# KiCad board 32-channel_current_source.kicad_pcb (continued)
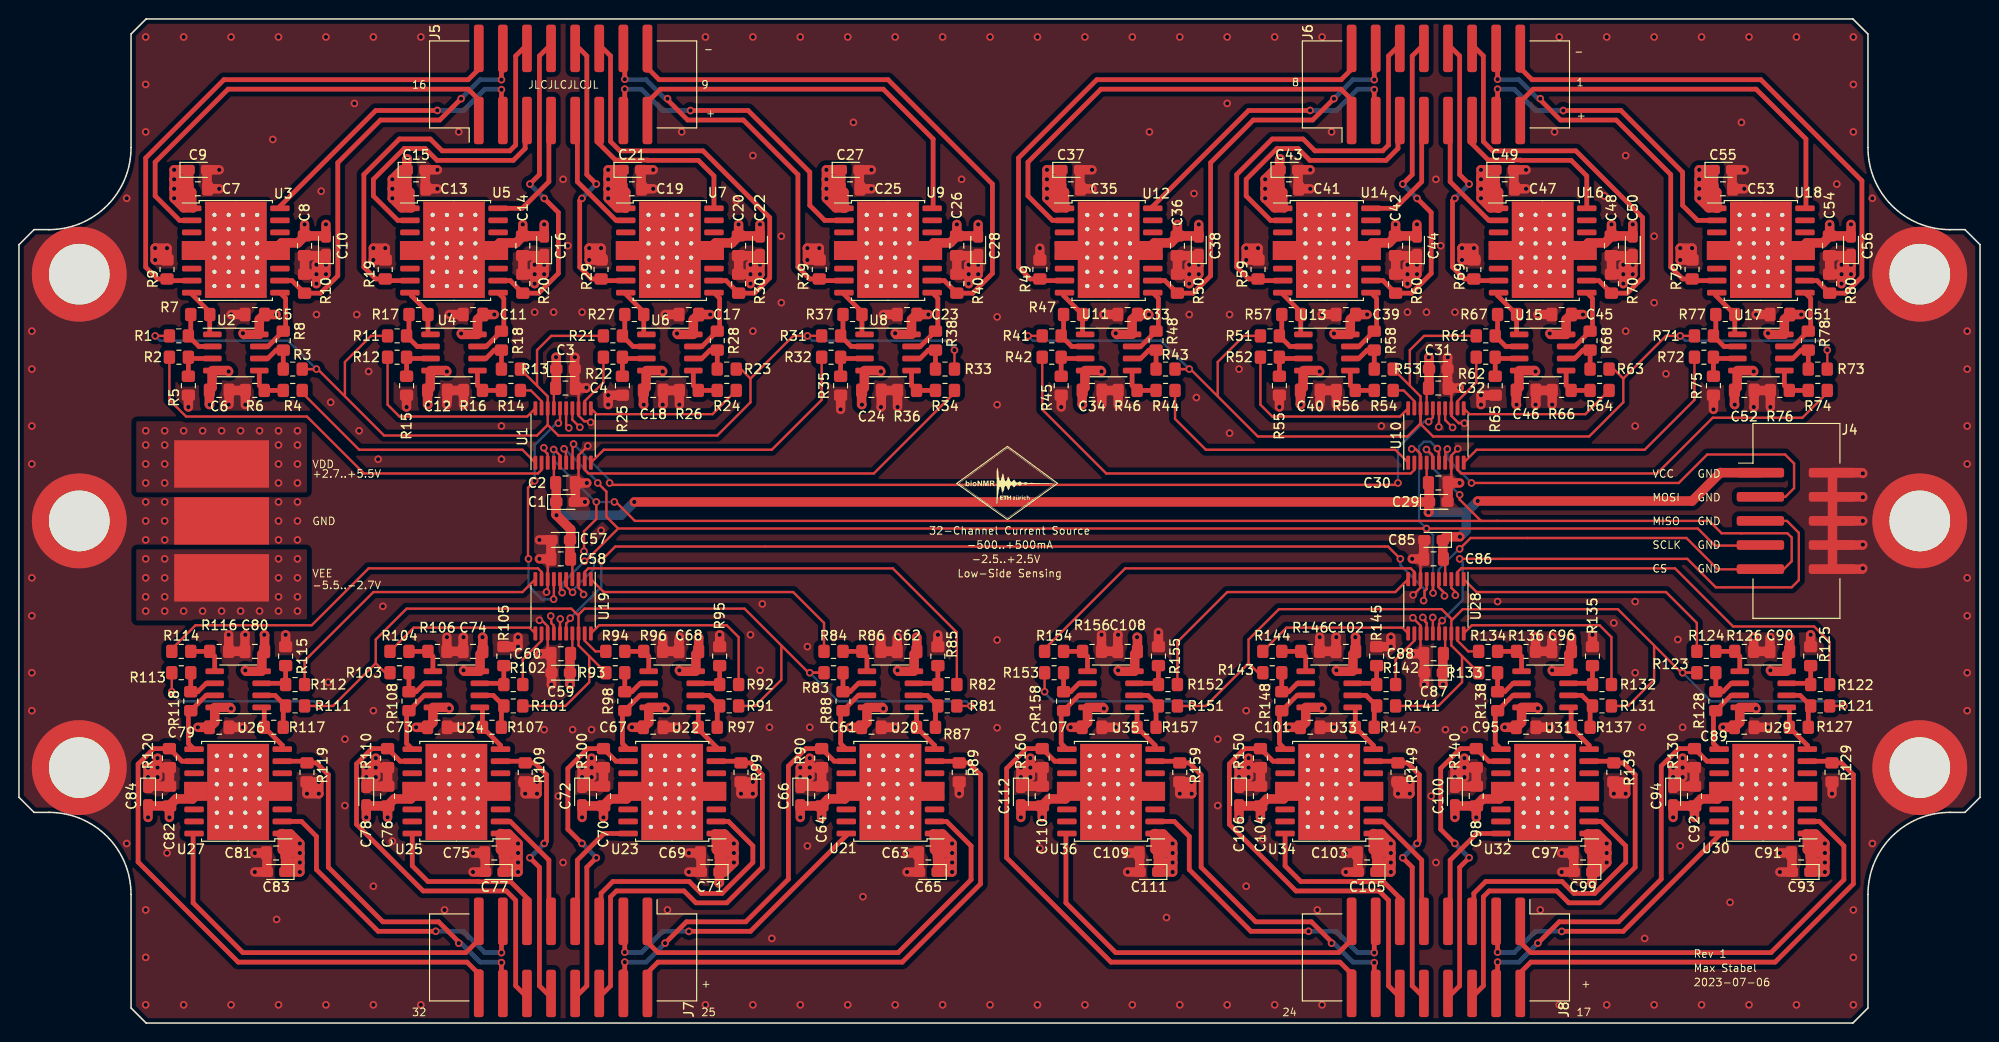
[diagram p0: board, top side]
## Routing (per net, layer and track width the routed paths; a pad name or vN(x,y) marks a point on that pad's centre or on a via; arc(x,y) is an arc through that point) (continued)
VCC: length 155.4
  Front w0.25: U28.4 150.33,48.69 ; U1.4 56.38,57.14 ; U10.4 148.38,57.14 ; U19.4 58.33,48.69
  Front w1: 58.16,50.92 58.16,52.02 v1(56.66,53.52) 56.61,53.57 56.61,54.92 ; v1(148.56,53.82) 148.61,53.87 148.61,54.92 ; 148.63,56.89 C29.1 v1(64.86,54.92) ; C1.1 56.63,56.89 ; 150.08,48.94 C85.1 150.41,51.24 v1(151.88,51.24) ; C57.1 58.08,48.94 ; v1(153.76,55.02) 176.36,55.02 179.36,58.02 179.38,58 183.54,58
  Back w1: 152.56,53.82 152.56,51.92 v1(151.88,51.24) ; 152.56,53.82 v1(148.56,53.82) ; 152.56,53.82 v1(153.76,55.02) ; v1(56.66,53.52) 63.46,53.52 v1(64.86,54.92)
VDD: length 392.8
  Front w0.25: v1(59.51,45.17) 59.51,45.34 58.98,45.86 U19.3 ; v1(151.11,62.77) 150.33,63.55 U10.14 ; v1(56.05,42.89) 56.11,42.84 56.11,42.15 56.38,41.87 U19.14 ; v1(151.41,45.09) 151.41,45.44 150.98,45.86 U28.3 ; 55.18,60.52 55.73,59.97 U1.3 ; v1(147.97,42.74) 148.22,42.5 148.22,42.32 148.38,42.16 U28.14 ; U1.14 58.33,63.58 v1(59.12,62.79) ; U1.17 56.38,66.69 ; U10.17 148.38,66.69 ; U19.17 58.33,39.14 ; v1(146.81,60.5) 147.2,60.5 147.73,59.97 U10.3 ; U28.17 150.33,39.14
  Front w1: v1(85.11,87.92) 87.11,85.92 86.11,85.92 v1(85.11,86.92) v1(85.11,87.92) ; v1(85.11,87.92) v1(85.11,88.92) ; v1(85.11,87.92) C25.1 ; 56.63,66.94 C3.1 56.63,70.14 v1(56.61,70.17) ; 94.61,74.67 94.08,74.14 94.08,72.92 ; 143.11,15.92 143.14,15.96 C103.1 v1(144.61,17.92) ; v1(85.11,88.92) 86.61,88.92 ; v1(85.11,88.92) v1(85.11,89.92) C27.1 ; v1(22.36,33.14) 22.24,33.26 U26.8 ; C35.1 v1(108.36,87.92) ; v1(108.36,87.92) v1(108.36,88.92) ; v1(108.36,87.92) v1(108.36,86.92) 109.36,85.92 110.36,85.92 v1(108.36,87.92) ; 150.08,38.89 C87.1 150.08,35.69 v1(150.11,35.67) ; v1(68.11,33.17) 68.01,33.26 U22.8 ; U6.8 69.45,72.57 v1(69.36,72.67) ; C105.1 v1(144.61,15.92) v1(144.61,16.92) ; 51.11,17.92 50.76,18.27 U25.1 ; v1(154.11,87.92) v1(154.11,86.92) 155.11,85.92 155.86,85.92 155.86,86.17 v1(154.11,87.92) ; v1(154.11,87.92) C47.1 155.57,89.88 155.61,89.92 ; v1(154.11,87.92) v1(154.11,88.92) ; 109.88,87.92 C37.1 v1(108.36,89.92) v1(108.36,88.92) ; v1(23.61,72.69) 23.73,72.57 U2.8 ; 86.61,89.92 86.61,87.92 86.96,87.57 U9.1 ; v1(16.36,87.92) v1(16.36,88.92) ; v1(16.36,87.92) C7.1 ; v1(16.36,87.92) 18.36,85.92 17.36,85.92 v1(16.36,86.92) v1(16.36,87.92) ; v1(16.36,88.92) 17.86,88.92 ; v1(16.36,88.92) v1(16.36,89.92) C9.1 17.88,87.92 ; 188.86,17.92 188.51,18.27 188.51,19.67 ; 17.86,87.92 18.21,87.57 18.21,86.17 ; v1(137.36,33.17) 137.26,33.26 U33.8 ; 186.61,74.67 186.08,74.14 186.08,72.92 ; v1(62.11,87.92) v1(62.11,88.92) ; v1(62.11,87.92) 63.86,86.17 63.86,85.92 63.11,85.92 v1(62.11,86.92) v1(62.11,87.92) ; v1(62.11,87.92) C19.1 63.57,89.88 63.61,89.92 ; v1(62.11,88.92) v1(62.11,89.92) C21.1 ; v1(62.11,88.92) 63.61,88.92 ; 71.61,74.67 71.08,74.14 71.08,72.92 ; v1(52.61,17.92) v1(52.61,16.92) ; v1(52.61,17.92) C75.1 51.14,15.96 51.11,15.92 ; v1(52.61,17.92) v1(52.61,18.92) 51.61,19.92 50.86,19.92 50.86,19.67 v1(52.61,17.92) ; v1(52.61,16.92) v1(52.61,15.92) C77.1 ; v1(52.61,16.92) 51.11,16.92 ; U8.8 92.48,72.57 v1(92.36,72.69) ; C51.1 v1(187.86,74.67) ; v1(138.61,72.67) 138.7,72.57 U13.8 ; C95.1 v1(156.61,31.17) ; v1(39.36,87.92) 41.36,85.92 40.36,85.92 v1(39.36,86.92) ; v1(39.36,87.92) C13.1 ; v1(39.36,87.92) v1(39.36,88.92) ; v1(39.36,87.92) v1(39.36,86.92) ; v1(91.11,33.14) 90.99,33.26 U20.8 ; U7.1 63.96,87.57 63.61,87.92 ; v1(39.36,88.92) 40.86,88.92 ; v1(39.36,88.92) 40.36,89.92 C15.1 ; v1(184.36,72.69) 184.48,72.57 U17.8 ; v1(144.61,17.92) v1(144.61,18.92) 143.61,19.92 142.86,19.92 142.86,19.67 v1(144.61,17.92) ; v1(144.61,17.92) v1(144.61,16.92) ; v1(190.36,16.92) v1(190.36,15.92) C93.1 188.83,17.92 ; v1(190.36,16.92) 188.86,16.92 ; v1(190.36,16.92) v1(190.36,17.92) ; 181.38,32.92 181.38,31.69 180.86,31.17 ; 165.83,15.92 166.36,15.92 v1(167.36,16.92) ; 165.83,15.92 165.83,14.81 v1(165.77,14.75) ; 165.83,15.92 165.83,17.89 ; C15.1 40.88,91.03 v1(40.94,91.09) ; C15.1 40.88,87.94 ; 48.33,72.92 48.33,74.14 48.86,74.67 ; 73.83,15.92 73.83,14.81 v1(73.77,14.75) ; 73.83,15.92 74.36,15.92 v1(75.36,16.92) ; 73.83,15.92 73.83,17.89 ; v1(75.36,16.92) v1(75.36,17.92) ; v1(75.36,16.92) 73.86,16.92 ; v1(75.36,17.92) v1(75.36,18.92) ; v1(75.36,17.92) C69.1 ; v1(75.36,17.92) 73.36,19.92 74.36,19.92 v1(75.36,18.92) ; C5.1 v1(27.11,74.67) ; C17.1 v1(72.86,74.67) ; 20.11,31.17 20.63,31.69 20.63,32.92 ; C79.1 v1(18.86,31.17) ; 119.76,19.97 119.76,18.27 120.11,17.92 120.11,15.92 ; C49.1 v1(154.11,89.92) v1(154.11,88.92) ; v1(131.36,88.92) 132.86,88.92 ; v1(131.36,88.92) v1(131.36,87.92) ; v1(131.36,88.92) 132.36,89.92 C43.1 ; v1(58.11,35.67) 58.08,35.69 C59.1 58.08,38.89 ; 135.11,31.17 135.63,31.69 135.63,32.92 ; C63.1 v1(98.36,17.92) ; v1(98.36,17.92) v1(98.36,18.92) 97.36,19.92 96.36,19.92 v1(98.36,17.92) ; v1(98.36,17.92) v1(98.36,16.92) ; 43.63,32.92 43.63,31.69 43.11,31.17 ; v1(154.11,88.92) 155.61,88.92 ; 148.63,66.94 C31.1 148.63,70.14 v1(148.61,70.17) ; v1(75.36,18.92) 74.36,17.92 73.86,17.92 73.51,18.27 73.51,19.67 ; v1(131.36,87.92) 133.36,85.92 132.36,85.92 v1(131.36,86.92) ; v1(131.36,87.92) v1(131.36,86.92) ; v1(131.36,87.92) C41.1 ; 143.11,17.92 142.76,18.27 U34.1 ; v1(121.61,16.92) 120.11,16.92 ; v1(121.61,16.92) v1(121.61,17.92) ; v1(121.61,16.92) v1(121.61,15.92) C111.1 ; U35.8 114.24,33.26 v1(114.36,33.14) ; U16.1 155.96,87.57 155.61,87.92 ; v1(108.36,88.92) 109.86,88.92 ; 163.61,74.67 163.08,74.14 163.08,72.92 ; v1(160.11,33.17) 160.01,33.26 U31.8 ; v1(161.36,72.67) 161.45,72.57 U15.8 ; v1(29.61,16.92) v1(29.61,15.92) C83.1 ; v1(29.61,16.92) 28.11,16.92 ; v1(29.61,16.92) v1(29.61,17.92) ; v1(183.11,33.14) 182.99,33.26 U29.8 ; 96.86,17.92 96.51,18.27 96.51,19.67 ; v1(29.61,17.92) 27.61,19.92 28.61,19.92 v1(29.61,18.92) v1(29.61,17.92) ; v1(29.61,17.92) C81.1 ; 28.11,15.92 28.11,17.92 27.76,18.27 27.76,19.97 ; 117.33,72.92 117.33,74.14 117.86,74.67 ; 157.86,31.17 158.38,31.69 158.38,32.92 ; C23.1 v1(95.86,74.67) ; U4.8 46.7,72.57 v1(46.61,72.67) ; 25.86,74.67 25.33,74.14 25.33,72.92 ; C55.1 v1(177.11,89.92) v1(177.11,88.92) ; v1(177.11,87.92) v1(177.11,86.92) 178.11,85.92 179.11,85.92 v1(177.11,87.92) ; v1(177.11,87.92) v1(177.11,88.92) ; v1(177.11,87.92) C53.1 ; 140.33,72.92 140.33,74.14 140.86,74.67 ; v1(144.61,16.92) 143.11,16.92 ; 66.38,32.92 66.38,31.69 65.86,31.17 ; v1(98.36,16.92) 96.86,16.92 ; v1(98.36,16.92) v1(98.36,15.92) C65.1 96.83,17.92 ; v1(121.61,17.92) 119.61,19.92 120.61,19.92 v1(121.61,18.92) v1(121.61,17.92) ; v1(121.61,17.92) C109.1 ; C101.1 v1(133.86,31.17) ; v1(190.36,17.92) 188.36,19.92 189.36,19.92 v1(190.36,18.92) v1(190.36,17.92) ; v1(190.36,17.92) C91.1 ; v1(167.36,16.92) 165.86,16.92 ; v1(167.36,16.92) v1(167.36,17.92) ; 109.86,87.92 110.21,87.57 110.21,86.17 ; v1(167.36,18.92) 166.36,17.92 165.86,17.92 165.51,18.27 165.51,19.67 ; v1(167.36,18.92) v1(167.36,17.92) ; v1(167.36,18.92) 166.36,19.92 165.36,19.92 v1(167.36,17.92) ; v1(39.36,86.92) 40.36,87.92 40.86,87.92 41.21,87.57 41.21,86.17 ; v1(177.11,88.92) 178.61,88.92 ; 88.86,31.17 89.38,31.69 89.38,32.92 ; C73.1 v1(41.86,31.17) ; C43.1 132.88,87.94 ; C43.1 132.88,91.03 v1(132.94,91.09) ; v1(131.36,86.92) 132.36,87.92 132.86,87.92 133.21,87.57 133.21,86.17 ; C45.1 v1(164.86,74.67) ; U11.8 115.73,72.57 v1(115.61,72.69) ; 112.63,32.92 112.63,31.69 112.11,31.17 ; U24.8 45.26,33.26 v1(45.36,33.17) ; C89.1 v1(179.61,31.17) ; C61.1 v1(87.61,31.17) ; C97.1 v1(167.36,17.92) ; C33.1 v1(119.11,74.67) ; C67.1 v1(64.61,31.17) ; U18.1 178.96,87.57 178.61,87.92 178.61,89.92 ; C11.1 v1(50.11,74.67) ; C39.1 v1(142.11,74.67) ; C107.1 v1(110.86,31.17)
  vias: v1(13.36,62.42) v1(13.36,60.92) v1(13.36,58.92) v1(13.36,56.92) v1(15.36,62.42) v1(15.36,60.92) v1(15.36,58.92) v1(15.36,56.92) v1(17.36,62.42) v1(19.36,62.42) v1(21.36,62.42) v1(23.36,62.42) v1(25.36,62.42) v1(27.36,62.42) v1(27.36,60.92) v1(27.36,58.92) v1(27.36,56.92) v1(29.36,62.42) v1(29.36,60.92) v1(29.36,58.92) v1(29.36,56.92) v1(55.32,60.62)
VEE: length 206
  Front w1: v1(25.86,40.92) 25.89,40.88 C80.2 25.61,38.88 25.61,37.42 ; v1(186.61,40.67) 186.64,40.63 C90.2 186.36,38.88 186.36,37.42 ; U9.4 96.42,82.22 98.16,82.22 98.86,82.92 ; 71.33,37.07 69.7,37.07 v1(69.61,37.17) ; U6.4 67.76,68.76 v1(67.86,68.67) ; U8.4 90.76,68.76 v1(90.86,68.67) ; 30.11,82.92 29.41,82.22 27.67,82.22 U3.4 ; v1(20.11,65.17) 20.07,65.21 C6.2 20.36,66.96 20.36,68.42 ; 55.36,82.92 55.32,82.96 C14.2 v1(53.11,84.17) ; U5.4 50.67,82.22 52.41,82.22 53.11,82.92 ; v1(22.11,68.67) 22.01,68.76 U2.4 ; v1(137.11,68.67) 137.01,68.76 U13.4 ; C10.2 v1(32.36,84.17) ; 151.36,22.92 151.39,22.88 C98.2 v1(153.61,21.67) ; 101.11,82.92 101.07,82.96 C26.2 v1(98.86,84.17) ; v1(163.61,40.67) 163.64,40.63 C96.2 163.36,38.88 163.36,37.42 ; 78.11,82.92 78.07,82.96 C20.2 v1(75.86,84.17) ; v1(122.11,84.17) C36.2 124.32,82.96 124.36,82.92 ; 117.61,37.42 117.61,38.88 C108.2 117.89,40.63 v1(117.86,40.67) ; U29.4 184.7,37.07 v1(184.61,37.17) ; 32.36,82.92 32.32,82.96 C8.2 v1(30.11,84.17) ; 84.61,22.92 85.31,23.62 87.04,23.62 U21.4 ; v1(71.61,40.67) 71.64,40.63 C68.2 71.36,38.88 71.36,37.42 ; 145.11,82.92 144.41,82.22 142.67,82.22 U14.4 ; v1(138.86,37.17) 138.95,37.07 U33.4 ; 170.11,82.92 170.07,82.96 C48.2 v1(167.86,84.17) ; v1(88.86,65.17) 88.82,65.21 C24.2 89.11,66.96 89.11,68.42 ; 94.36,37.42 94.36,38.88 C62.2 94.64,40.63 v1(94.61,40.67) ; 75.86,82.92 75.16,82.22 73.42,82.22 U7.4 ; U25.4 41.29,23.62 39.56,23.62 38.86,22.92 ; U36.4 110.29,23.62 108.56,23.62 107.86,22.92 ; 48.61,37.42 48.61,38.88 C74.2 48.89,40.63 v1(48.86,40.67) ; C78.2 v1(36.61,21.67) ; 135.36,68.42 135.36,66.96 C40.2 135.07,65.21 v1(135.11,65.17) ; v1(112.11,65.17) 112.07,65.21 C34.2 112.36,66.96 112.36,68.42 ; v1(140.86,40.67) 140.89,40.63 C102.2 140.61,38.88 140.61,37.42 ; C94.2 v1(174.36,21.67) ; v1(180.86,65.17) 180.82,65.21 C52.2 181.11,66.96 181.11,68.42 ; C112.2 v1(105.61,21.67) ; U4.4 45.01,68.76 v1(45.11,68.67) ; C44.2 v1(147.36,84.17) ; U32.4 156.04,23.62 154.31,23.62 153.61,22.92 ; C16.2 v1(55.36,84.17) ; C22.2 v1(78.11,84.17) ; v1(157.86,65.17) 157.82,65.21 C46.2 158.11,66.96 158.11,68.42 ; U17.4 182.76,68.76 v1(182.86,68.67) ; 61.61,22.92 62.31,23.62 64.04,23.62 U23.4 ; v1(43.11,65.17) 43.07,65.21 C12.2 43.36,66.96 43.36,68.42 ; v1(65.86,65.17) 65.82,65.21 C18.2 66.11,66.96 66.11,68.42 ; v1(159.86,68.67) 159.76,68.76 U15.4 ; v1(15.86,21.67) C82.2 13.64,22.88 13.61,22.92 ; 130.86,22.92 131.56,23.62 133.29,23.62 U34.4 ; C106.2 v1(128.61,21.67) ; 128.61,22.92 128.64,22.88 C104.2 v1(130.86,21.67) ; U30.4 179.04,23.62 177.31,23.62 176.61,22.92 ; C56.2 v1(193.11,84.17) ; v1(107.86,21.67) C110.2 105.64,22.88 105.61,22.92 ; 163.33,37.07 161.7,37.07 v1(161.61,37.17) ; 193.11,82.92 193.07,82.96 C54.2 v1(190.86,84.17) ; 190.86,82.92 190.16,82.22 188.42,82.22 U18.4 ; U24.4 46.95,37.07 v1(46.86,37.17) ; 122.11,82.92 121.41,82.22 119.67,82.22 U12.4 ; 59.36,22.92 59.39,22.88 C70.2 v1(61.61,21.67) ; v1(115.86,37.17) 115.95,37.07 117.58,37.07 ; U16.4 165.42,82.22 167.16,82.22 167.86,82.92 ; 36.61,22.92 36.64,22.88 C76.2 v1(38.86,21.67) ; 15.86,22.92 16.56,23.62 18.29,23.62 U27.4 ; 82.36,22.92 82.39,22.88 C64.2 v1(84.61,21.67) ; C38.2 v1(124.36,84.17) ; v1(92.61,37.17) 92.7,37.07 U20.4 ; C84.2 v1(13.61,21.67) ; v1(114.11,68.67) 114.01,68.76 U11.4 ; 25.58,37.07 23.95,37.07 v1(23.86,37.17) ; v1(176.61,21.67) C92.2 174.39,22.88 174.36,22.92 ; C28.2 v1(101.11,84.17) ; v1(145.11,84.17) C42.2 147.32,82.96 147.36,82.92 ; C50.2 v1(170.11,84.17) ; C100.2 v1(151.36,21.67) ; C72.2 v1(59.36,21.67) ; C66.2 v1(82.36,21.67)
  vias: v1(13.36,48.92) v1(13.36,46.92) v1(13.36,44.92) v1(13.36,43.42) v1(15.36,48.92) v1(15.36,46.92) v1(15.36,44.92) v1(15.36,43.42) v1(17.36,43.42) v1(19.36,43.42) v1(21.36,43.42) v1(23.36,43.42) v1(25.36,43.42) v1(27.36,48.92) v1(27.36,46.92) v1(27.36,44.92) v1(27.36,43.42) v1(29.36,48.92) v1(29.36,46.92) v1(29.36,44.92) v1(29.36,43.42)
/8-channel_current_source1/I_{OUT0+}: length 46.4
  Front w0.5: U3.2 16.93,84.59 14.36,87.17 14.36,90.73 22.04,98.42 47.36,98.42 48.61,97.17
/8-channel_current_source1/I_{OUT0-}: length 55.9
  Front w0.5: 48.61,100.67 47.36,99.42 21.61,99.42 13.36,91.17 13.36,79.67 14.61,78.42 R9.1 ; U3.7 15.78,78.24
/8-channel_current_source1/I_{OUT1+}: length 31.9
  Front w0.5: v1(44.09,96.18) 44.08,96.17 37.61,96.17 27.51,86.07 U3.16 ; v1(50.86,98.37) 50.86,95.17
  Back w0.5: v1(50.86,98.37) 50.81,98.42 49.11,98.42 46.86,96.17 44.11,96.17 v1(44.09,96.18)
/8-channel_current_source1/I_{OUT1-}: length 43.7
  Front w0.5: U3.10 28.78,78.24 R10.1 31.77,76.92 33.61,78.75 33.61,90.67 38.11,95.17 44.36,95.17 v1(46.61,97.42) ; v1(50.86,99.42) 50.86,102.67 ; 50.86,100.42 51.11,100.42
  Back w0.5: v1(46.61,97.42) 48.61,99.42 v1(50.86,99.42)
/8-channel_current_source1/I_{OUT2+}: length 27.5
  Front w0.5: 53.36,94.67 53.36,92.17 52.11,90.92 44.07,90.92 42.82,92.17 40.61,92.17 37.36,88.92 37.36,87.17 39.93,84.59 U5.2
/8-channel_current_source1/I_{OUT2-}: length 44.4
  Front w0.5: 53.61,103.17 52.36,101.92 52.36,92.53 51.74,91.92 44.61,91.92 43.36,93.17 40.11,93.17 36.36,89.42 36.36,79.67 37.61,78.42 R19.1 ; U5.7 38.78,78.24
/8-channel_current_source1/I_{OUT3+}: length 12.5
  Front w0.5: U5.16 53.05,85.86 55.86,88.67 55.86,94.67
/8-channel_current_source1/I_{OUT3-}: length 33.7
  Front w0.5: v1(55.37,86.91) 56.86,85.42 56.86,79 54.77,76.92 R20.1 51.78,78.24 U5.10 ; v1(53.86,88.42) 54.86,89.42 54.86,101.92 55.86,102.92
  Back w0.5: v1(53.86,88.42) v1(55.37,86.91)
/8-channel_current_source1/I_{OUT4+}: length 13
  Front w0.5: 58.86,94.92 58.86,88.67 62.93,84.59 U7.2
/8-channel_current_source1/I_{OUT4-}: length 30
  Front w0.5: v1(60.86,88.42) 59.86,89.42 59.86,101.92 58.86,102.92 ; U7.7 61.53,78.24 ; R29.1 60.36,78.42 59.11,79.67 59.11,86.67 v1(59.34,86.91)
  Back w0.5: v1(60.86,88.42) v1(59.34,86.91)
/8-channel_current_source1/I_{OUT5+}: length 19.2
  Front w0.5: U7.16 73.26,89.27 71.61,90.92 66.32,90.92 66.29,90.94 62.88,90.94 61.11,92.72 61.11,94.92
/8-channel_current_source1/I_{OUT5-}: length 44
  Front w0.5: 61.36,102.92 62.36,101.92 62.36,92.9 63.34,91.92 72.11,91.92 79.13,84.89 79.13,78.53 77.52,76.92 R30.1 74.53,78.24 U7.10
/8-channel_current_source1/I_{OUT6+}: length 34.1
  Front w0.5: v1(63.86,98.42) 63.86,95.17 ; v1(70.78,96.17) 76.86,96.17 83.36,89.67 83.36,86.17 84.93,84.59 U9.2
  Back w0.5: v1(63.86,98.42) 65.61,98.42 67.86,96.17 v1(70.78,96.17)
/8-channel_current_source1/I_{OUT6-}: length 40.6
  Front w0.5: R39.1 83.36,78.42 82.11,79.67 82.11,89.42 76.36,95.17 70.48,95.17 68.36,97.29 v1(68.36,97.42) ; U9.7 84.53,78.24 ; v1(63.86,99.47) 63.86,102.67
  Back w0.5: 63.86,99.42 66.11,99.42 68.11,97.42 v1(68.36,97.42)
/8-channel_current_source1/I_{OUT7+}: length 40.4
  Front w0.5: U9.16 96.36,85.96 96.36,93.17 91.11,98.42 67.61,98.42 66.11,96.92
/8-channel_current_source1/I_{OUT7-}: length 58.6
  Front w0.5: U9.10 97.53,78.24 R40.1 100.52,76.92 102.61,79 102.61,88.42 91.61,99.42 67.48,99.42 66.48,100.42 66.11,100.42
/8-channel_current_source1/SDO: length 25.5
  Front w0.25: v1(53.71,48.92) 53.66,48.97 53.66,56.42 54.36,57.12 ; v1(56.36,44.67) 56.38,44.69 56.38,46.64 ; U1.16 57.03,63.39 v1(56.86,63.22)
  Back w0.25: v1(56.36,44.67) 56.33,44.64 55.13,44.64 53.71,46.07 v1(53.71,48.92) ; v1(56.86,63.22) 56.66,63.22 54.36,60.92 v1(54.36,57.14)
/8-channel_current_source1/v-i_converter1/V_{INA}: length 47.8
  Front w0.25: U1.2 55.08,58.3 54.7,57.92 36.36,57.92 30.36,63.92 17.62,63.92 15.86,65.68 R2.1
/8-channel_current_source1/v-i_converter1/V_{INB}: length 27.9
  Front w0.25: R4.1 29.86,66.42 35.86,60.42 53.07,60.42 U1.1
/8-channel_current_source1/v-i_converter2/V_{INA}: length 21.5
  Front w0.25: U1.20 53.57,63.92 40.11,63.92 38.86,65.17 R12.1
/8-channel_current_source1/v-i_converter2/V_{INB}: length 3.5
  Front w0.25: R14.1 53.95,66.67 55.08,65.54 U1.19
/8-channel_current_source1/v-i_converter3/V_{INA}: length 6.2
  Front w0.25: R22.1 61.61,67.51 59.63,65.54 U1.12
/8-channel_current_source1/v-i_converter3/V_{INB}: length 16.6
  Front w0.25: U1.11 60.89,64.17 73.11,64.17 R24.1
/8-channel_current_source1/v-i_converter4/V_{INA}: length 31.6
  Front w0.25: R32.1 84.61,65.67 79.36,60.42 61.64,60.42 U1.10
/8-channel_current_source1/v-i_converter4/V_{INB}: length 43.8
  Front w0.25: U1.9 59.63,58.3 60.01,57.92 90.11,57.92 98.86,66.67
/8-channel_current_source1/VREF: length 133.6
  Front w0.25: 77.11,67.92 76.11,68.92 R23.1 ; 77.11,67.92 81.61,72.42 v1(83.11,72.42) R31.1 ; 77.11,67.92 77.11,65.42 73.61,61.92 56.86,61.92 55.73,63.04 ; 55.73,63.04 U1.18 55.73,66.04 R13.1 ; 55.73,63.04 54.61,61.92 38.48,61.92 31.48,68.92 R3.1 v1(31.36,68.92) ; 34.36,66.07 34.36,69.67 37.11,72.42 R11.1 ; v1(14.36,72.42) R1.1 ; R21.1 56.11,72.42 54.61,70.92 54.61,67.17 ; v1(98.61,70.92) R33.1
  Back w0.25: v1(14.36,72.42) 14.86,71.92 28.36,71.92 v1(31.36,68.92) ; v1(98.61,70.92) 98.61,71.04 97.73,71.92 83.61,71.92 v1(83.11,72.42)
/8-channel_current_source2/I_{OUT0+}: length 46.4
  Front w0.5: U21.2 97.78,21.24 100.36,18.67 100.36,15.11 92.67,7.42 67.36,7.42 66.11,8.67
/8-channel_current_source2/I_{OUT0-}: length 55.9
  Front w0.5: U21.7 98.93,27.59 ; 66.11,5.17 67.36,6.42 93.11,6.42 101.36,14.67 101.36,26.17 100.11,27.42 R89.1
/8-channel_current_source2/I_{OUT1+}: length 31.9
  Front w0.5: v1(70.62,9.66) 70.63,9.67 77.11,9.67 87.21,19.77 U21.16 ; v1(63.86,7.47) 63.86,10.67
  Back w0.5: v1(63.86,7.47) 63.91,7.42 65.61,7.42 67.86,9.67 70.61,9.67 v1(70.62,9.66)
/8-channel_current_source2/I_{OUT1-}: length 43.7
  Front w0.5: U21.10 85.93,27.59 R90.1 82.94,28.92 81.11,27.08 81.11,15.17 76.61,10.67 70.36,10.67 v1(68.11,8.42) ; v1(63.86,6.42) 63.86,3.17 ; 63.86,5.42 63.61,5.42
  Back w0.5: v1(68.11,8.42) 66.11,6.42 v1(63.86,6.42)
/8-channel_current_source2/I_{OUT2+}: length 27.5
  Front w0.5: U23.2 74.78,21.24 77.36,18.67 77.36,16.92 74.11,13.67 71.89,13.67 70.64,14.92 62.61,14.92 61.36,13.67 61.36,11.17
/8-channel_current_source2/I_{OUT2-}: length 44.4
  Front w0.5: 61.11,2.67 62.36,3.92 62.36,13.3 62.97,13.92 70.11,13.92 71.36,12.67 74.61,12.67 78.36,16.42 78.36,26.17 77.11,27.42 R99.1 ; U23.7 75.93,27.59
/8-channel_current_source2/I_{OUT3+}: length 12.5
  Front w0.5: U23.16 61.66,19.97 58.86,17.17 58.86,11.17
/8-channel_current_source2/I_{OUT3-}: length 33.7
  Front w0.5: U23.10 62.93,27.59 R100.1 59.94,28.92 57.86,26.83 57.86,20.42 v1(59.34,18.93) ; 58.86,2.92 59.86,3.92 59.86,16.42 v1(60.86,17.42)
  Back w0.5: v1(60.86,17.42) v1(59.34,18.93)
/8-channel_current_source2/I_{OUT4+}: length 13
  Front w0.5: 55.86,10.92 55.86,17.17 51.78,21.24 U25.2
/8-channel_current_source2/I_{OUT4-}: length 30
  Front w0.5: R109.1 54.36,27.42 55.61,26.17 55.61,19.17 v1(55.37,18.93) ; 55.86,2.92 54.86,3.92 54.86,16.42 v1(53.86,17.42) ; U25.7 53.18,27.59
  Back w0.5: v1(53.86,17.42) v1(55.37,18.93)
/8-channel_current_source2/I_{OUT5+}: length 19.2
  Front w0.5: U25.16 41.46,16.57 43.11,14.92 48.39,14.92 48.42,14.89 51.83,14.89 53.61,13.12 53.61,10.92
/8-channel_current_source2/I_{OUT5-}: length 44
  Front w0.5: 53.36,2.92 52.36,3.92 52.36,12.94 51.37,13.92 42.61,13.92 35.58,20.94 35.58,27.31 37.19,28.92 R110.1 40.18,27.59 U25.10
/8-channel_current_source2/I_{OUT6+}: length 34.1
  Front w0.5: v1(50.86,7.42) 50.86,10.67 ; v1(43.94,9.67) 37.86,9.67 31.36,16.17 31.36,19.67 29.78,21.24 U27.2
  Back w0.5: v1(43.94,9.67) 46.86,9.67 49.11,7.42 v1(50.86,7.42)
/8-channel_current_source2/I_{OUT6-}: length 40.6
  Front w0.5: 27.76,27.59 30.18,27.59 ; v1(50.86,6.37) 50.86,3.17 ; R119.1 31.36,27.42 32.61,26.17 32.61,16.42 38.36,10.67 44.23,10.67 46.36,8.54 v1(46.36,8.42)
  Back w0.5: v1(46.36,8.42) 46.61,8.42 48.61,6.42 50.86,6.42
/8-channel_current_source2/I_{OUT7+}: length 40.4
  Front w0.5: 48.61,8.92 47.11,7.42 23.61,7.42 18.36,12.67 18.36,19.87 18.46,19.97
/8-channel_current_source2/I_{OUT7-}: length 58.3
  Front w0.5: 18.46,27.59 17.18,27.59 R120.1 14.19,28.92 12.56,27.28 12.56,16.97 23.11,6.42 47.23,6.42 48.23,5.42 48.61,5.42
/8-channel_current_source2/SDO: length 102.5
  Front w0.25: 61.36,48.72 62.86,50.22 144.31,50.22 v1(145.61,48.92) ; v1(58.11,42.67) 58.11,42.54 57.68,42.11 U19.16 ; v1(148.06,44.52) 148.16,44.62 148.16,45.51 148.38,45.74 U28.7
  Back w0.25: v1(61.38,48.69) 61.38,45.94 v1(58.11,42.67) ; v1(148.06,44.52) 148.13,44.59 148.13,45.74 145.61,48.26 v1(145.61,48.92)
/8-channel_current_source2/v-i_converter1/V_{INA}: length 48.4
  Front w0.25: R82.1 98.86,41.17 92.11,47.92 60.01,47.92 59.63,47.54 U19.2
/8-channel_current_source2/v-i_converter1/V_{INB}: length 29.5
  Front w0.25: U19.1 61.64,45.42 81.61,45.42 84.86,42.17 R84.1
/8-channel_current_source2/v-i_converter2/V_{INA}: length 21.5
  Front w0.25: R92.1 75.86,40.67 74.61,41.92 61.14,41.92 U19.20
/8-channel_current_source2/v-i_converter2/V_{INB}: length 3.5
  Front w0.25: U19.19 59.63,40.3 60.76,39.17 R94.1
/8-channel_current_source2/v-i_converter3/V_{INA}: length 6.2
  Front w0.25: U19.12 55.08,40.3 53.11,38.32 R102.1
/8-channel_current_source2/v-i_converter3/V_{INB}: length 16.6
  Front w0.25: R104.1 41.61,41.67 53.82,41.67 U19.11
/8-channel_current_source2/v-i_converter4/V_{INA}: length 30.4
  Front w0.25: R112.1 30.11,38.17 37.36,45.42 53.07,45.42 U19.10
/8-channel_current_source2/v-i_converter4/V_{INB}: length 43.8
  Front w0.25: 15.86,39.17 18.61,41.92 30.86,41.92 36.86,47.92 54.7,47.92 55.08,47.54 U19.9